# Altium PCB PCB2.PcbDoc (part 1 of 16)
Units mil, origin at the board's own origin, x right, y up, seen from the top; angles counter-clockwise.
Board outline 9200.79 x 4350.6 mil, 4 copper layers (Top Layer, Layer 1, Layer 2, Bottom Layer), stack 23.756 mil thick; 1249 components, 1355 nets, 4549 pads, 1316 vias.
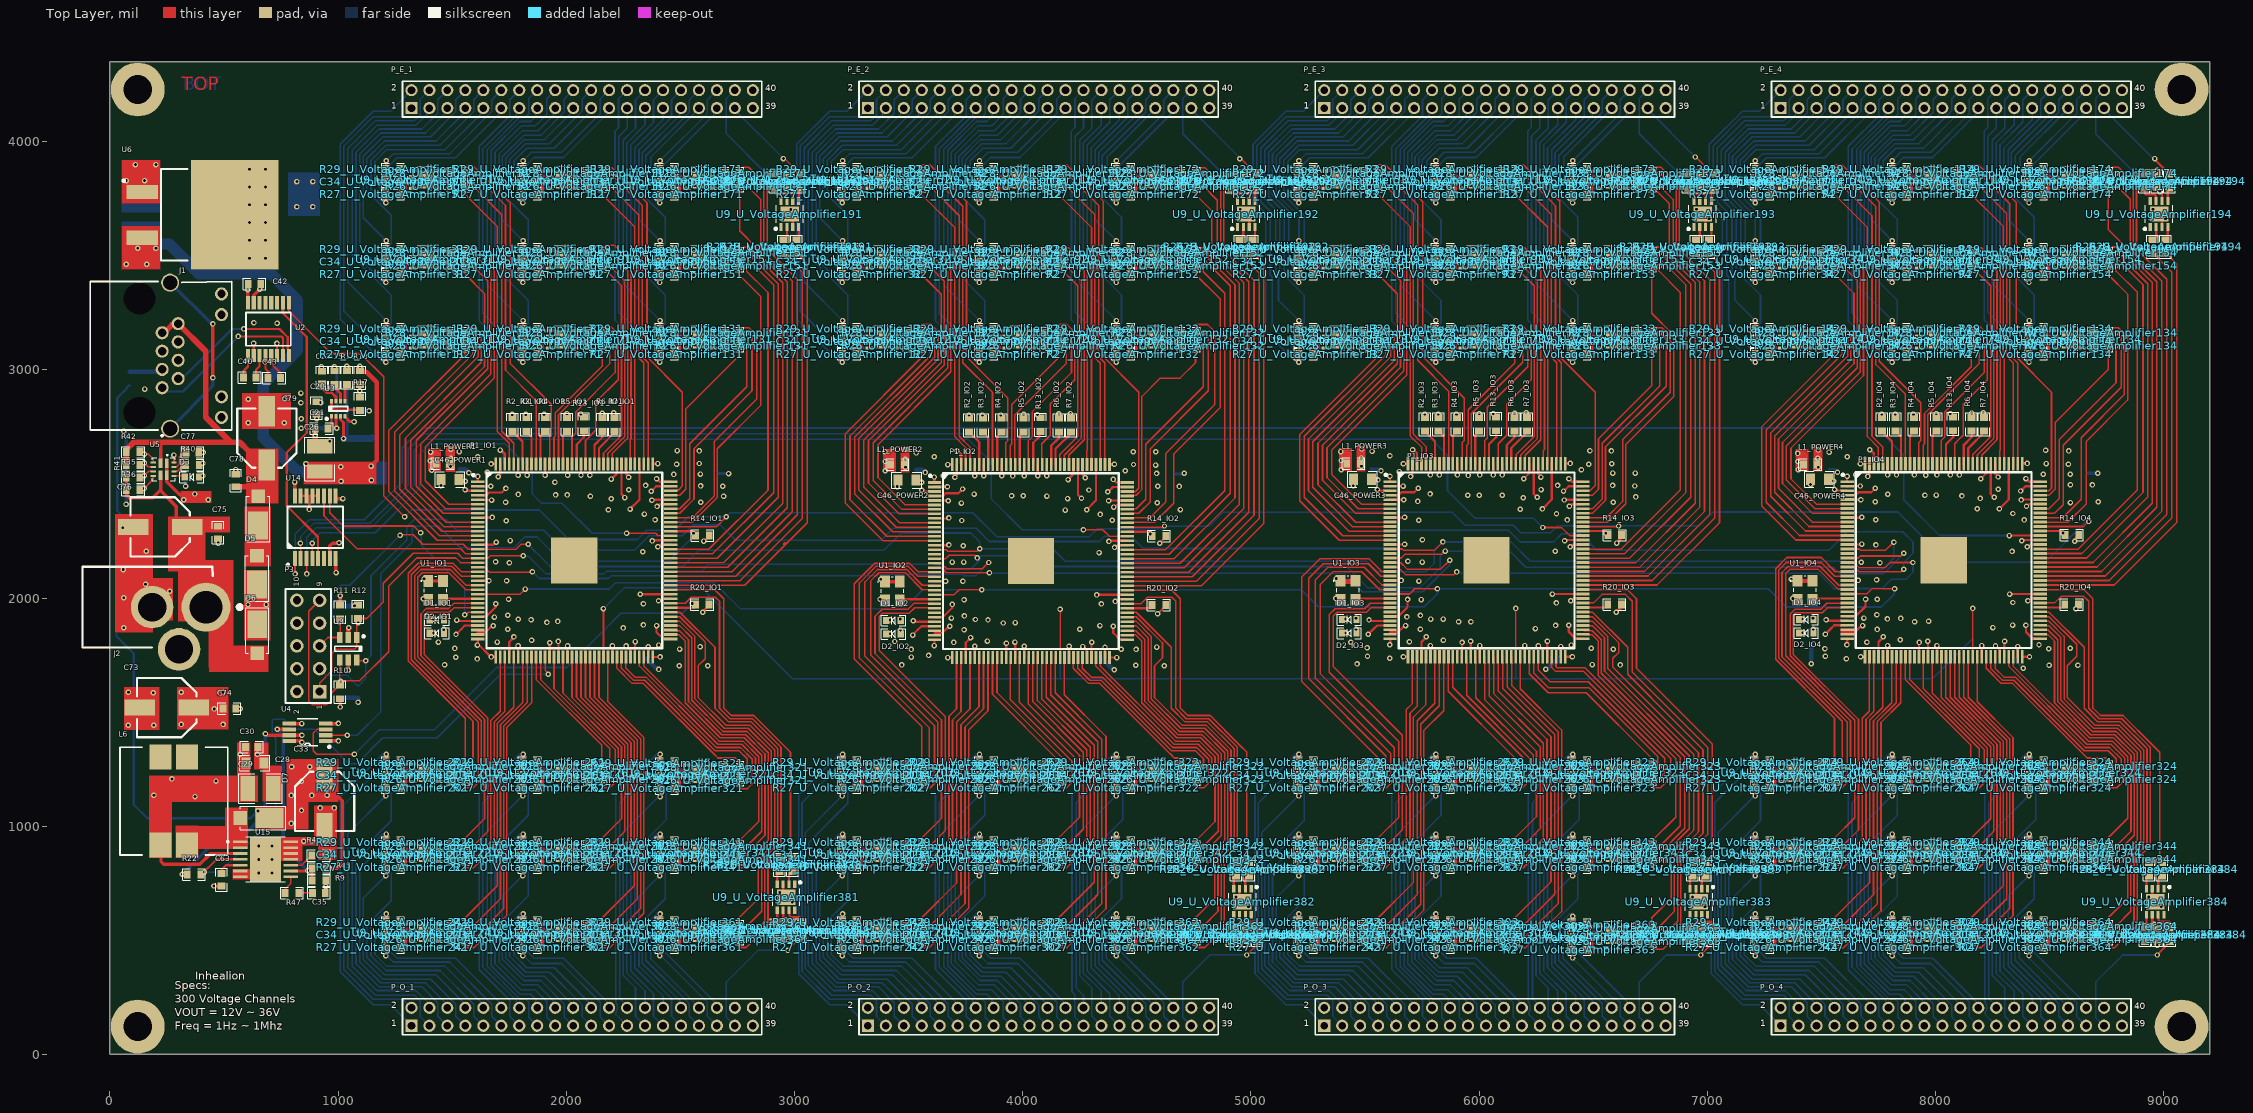
[diagram p0: Top Layer view]
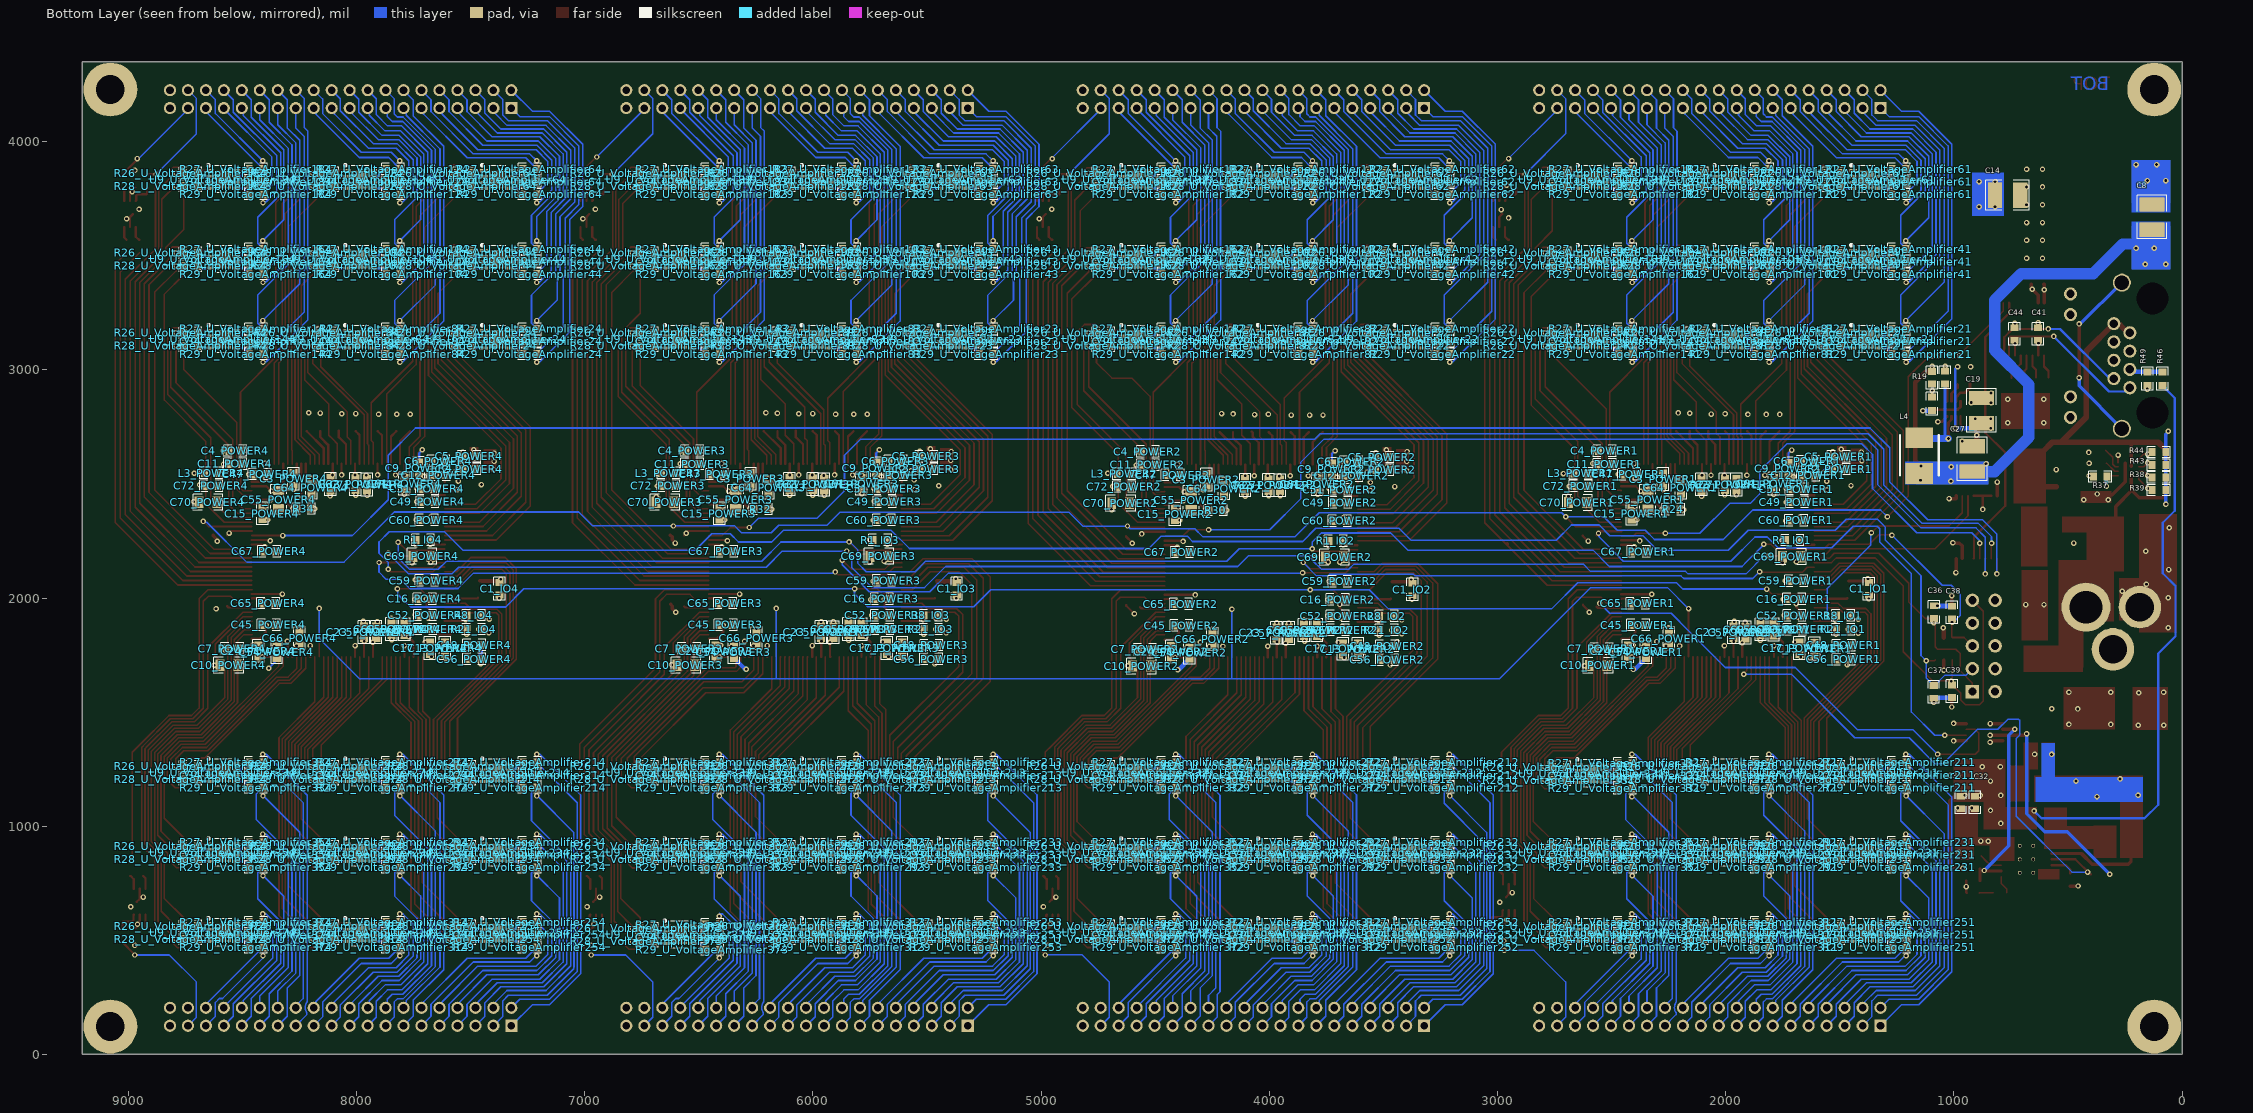
[diagram p1: Bottom Layer view, seen from below]
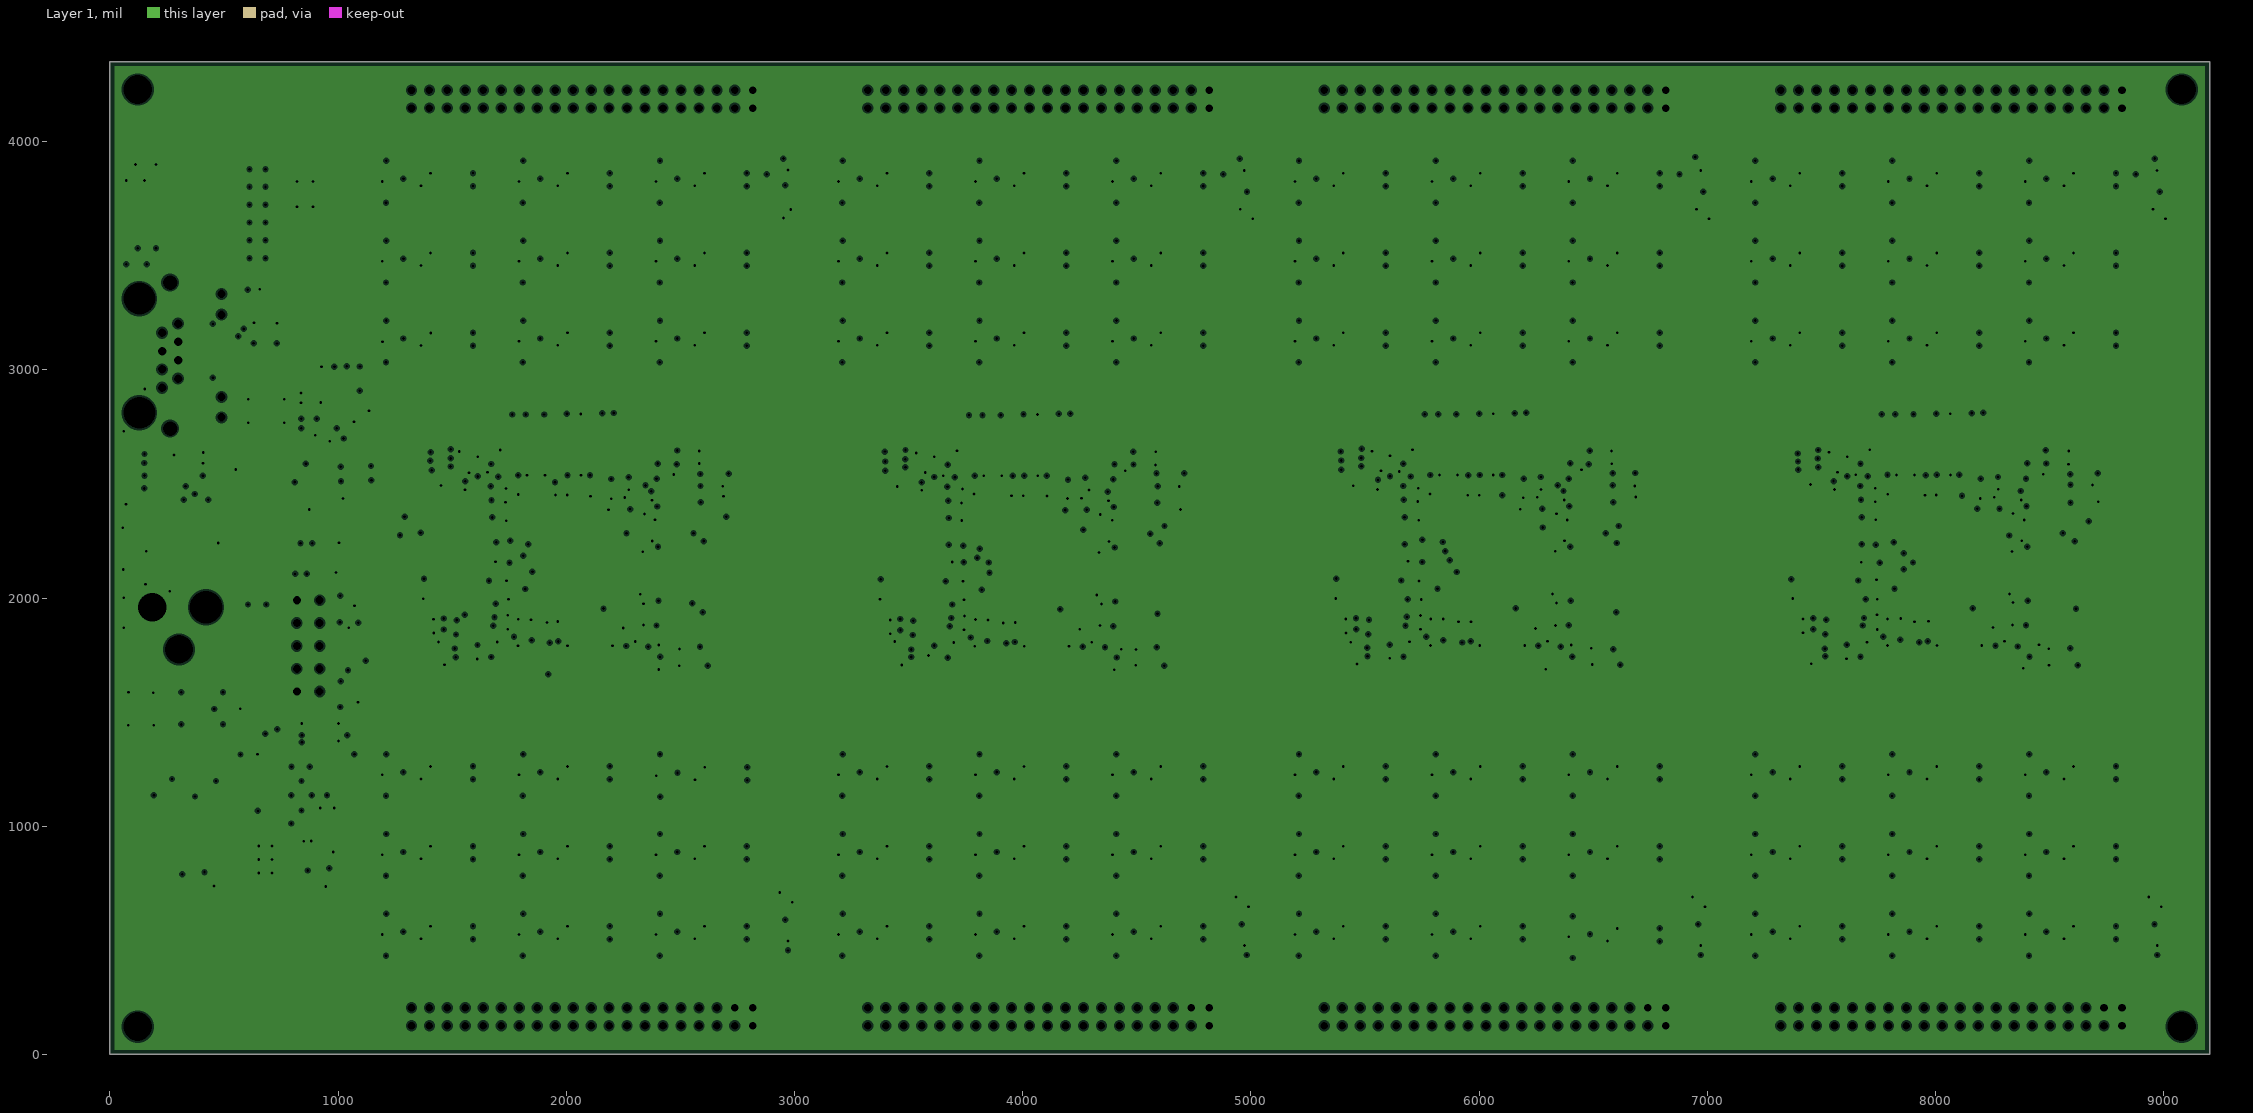
[diagram p2: Layer 1, clearances drawn from the general rule]
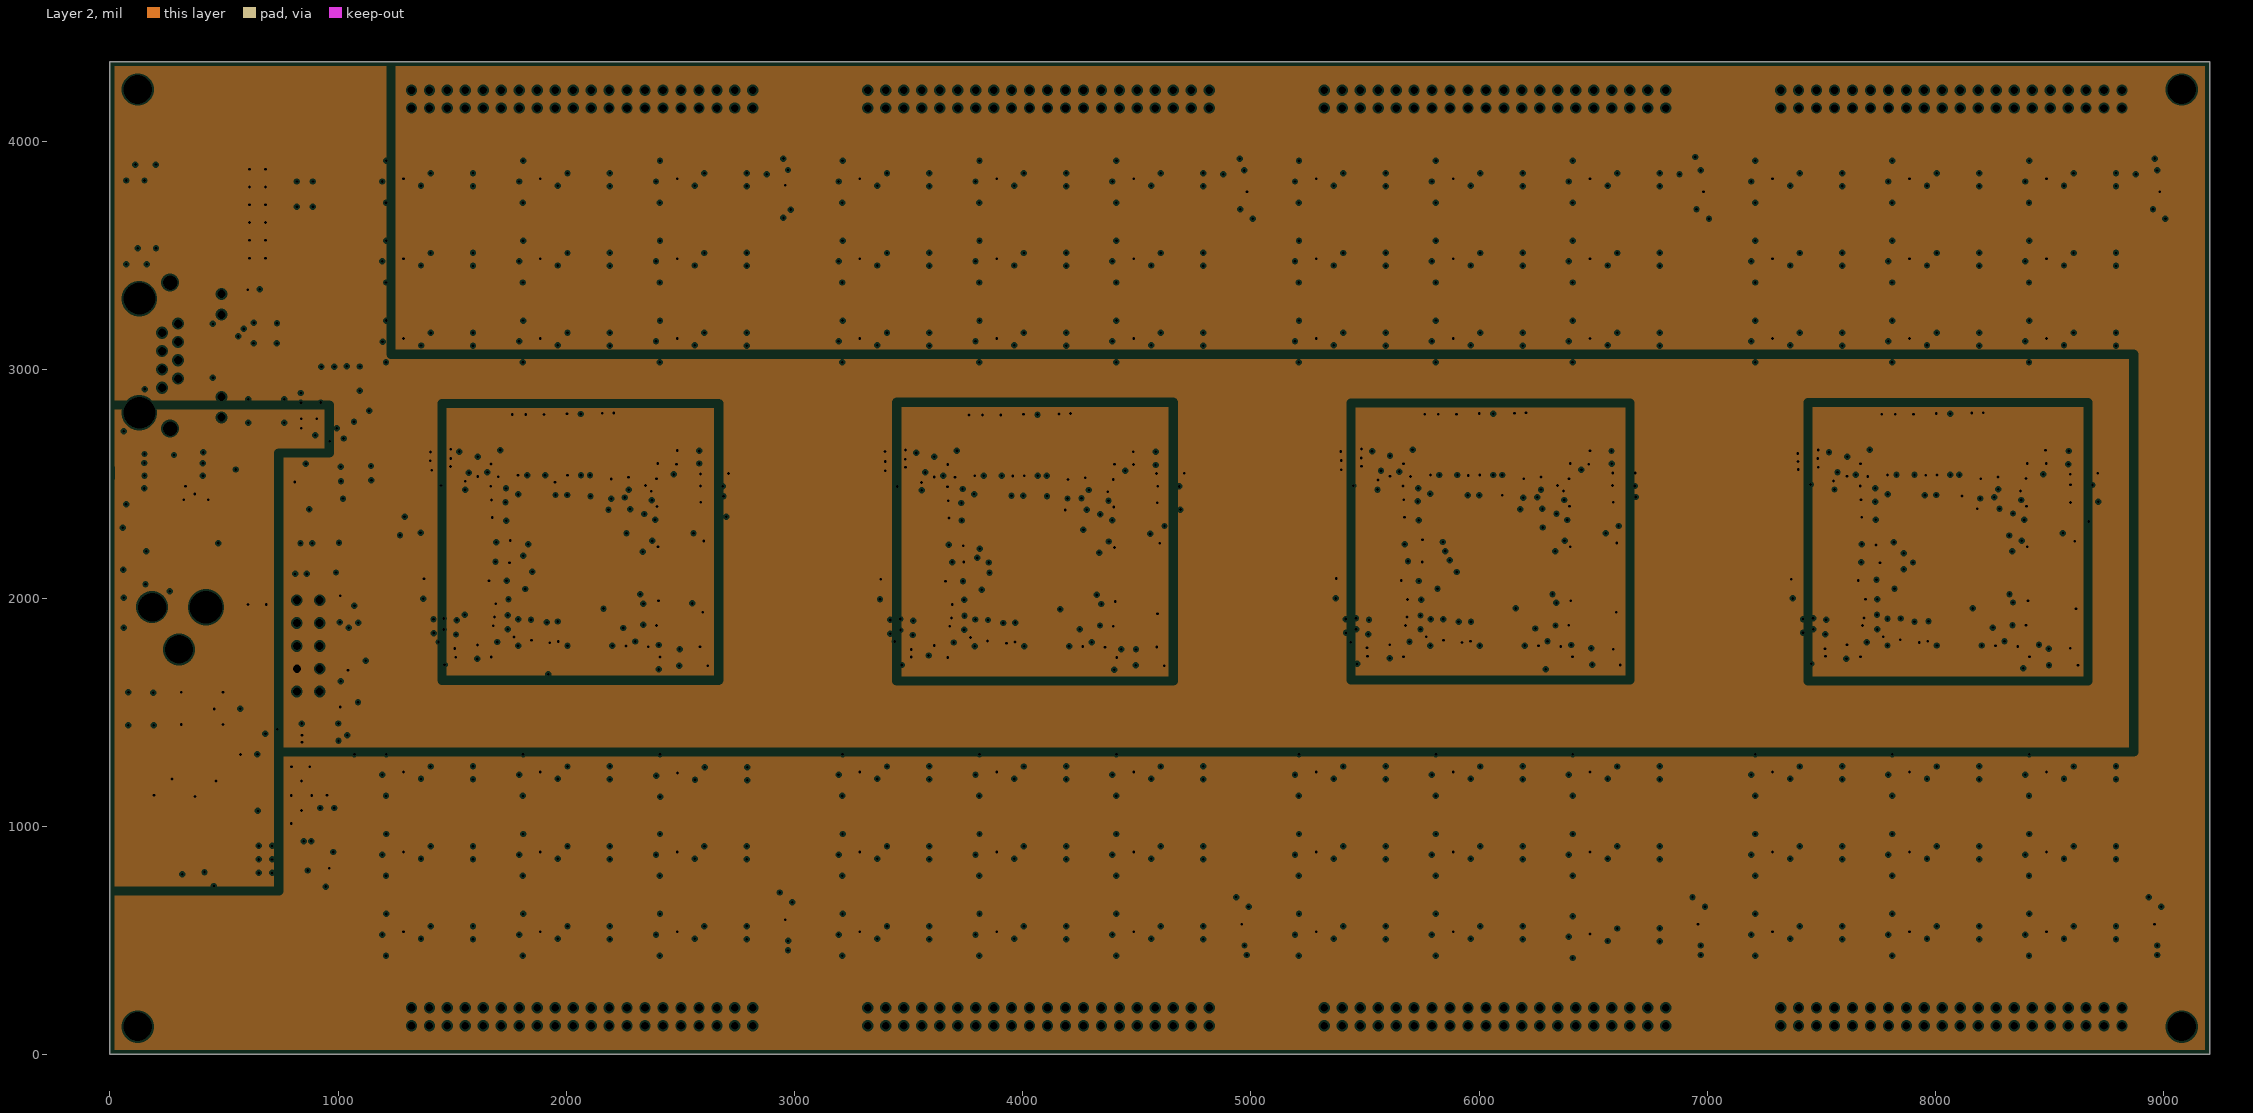
[diagram p3: Layer 2, clearances drawn from the general rule]

## Layer stack, top to bottom
Top Solder: solder mask 0.4, Solder Resist, Dk 3.5
Top Layer: signal copper 1.4
Dielectric 2: prepreg 2.8, PP-006, Dk 4.1
Layer 1: plane copper 1.378, net GND
Dielectric 1: dielectric 12.6, FR-4, Dk 4.8
Layer 2: plane copper 1.378, net (Multiple Nets)
Dielectric 3: prepreg 2.8, PP-006, Dk 4.1
Bottom Layer: signal copper 1.4
Bottom Solder: solder mask 0.4, Solder Resist, Dk 3.5

## Board outline
0,-0.21 9200.79,-0.21 9200.79,4350.39 0,4350.39

## Design rules (kind name [scope] priority, off if disabled: settings)
Clearance [All] p1: gap=7 ignorepadtopadclearanceinfootprint=TRUE
ComponentClearance [All] p1: gap=0 collisioncheckmode=3 verticalgap=0 showdistances=FALSE
HoleSize [All] p1: absolutevalues=TRUE maxlimit=200 minlimit=1 maxpercent=80.000 minpercent=20.000
MinimumSolderMaskSliver [All] p1: minsoldermaskwidth=0
PlaneClearance [All] p1: clearance=8
PlaneConnect [All] p1: planeconnectstyle=Relief reliefexpansion=10 reliefentries=4 reliefconductorwidth=10 reliefairgap=10
PolygonConnect [All] p1: connectstyle=Relief reliefconductorwidth=10 reliefentries=4 polygonreliefangle="90 Angle" airgapwidth=10
RoomDefinition U_VoltageAmplifier261 [InComponentClass('U_VoltageAmplifier261')] p1: confinementstyle=ConfineIn formatcopy=FALSE lockcomponents=FALSE outline 2191.26,1325.59 1771.26,1325.59 1771.26,1125.59 2191.26,1125.59
RoomDefinition U_VoltageAmplifier73 [InComponentClass('U_VoltageAmplifier73')] p2: confinementstyle=ConfineIn formatcopy=FALSE lockcomponents=FALSE outline 6191.26,3225.59 5771.26,3225.59 5771.26,3025.59 6191.26,3025.59
RoomDefinition U_VoltageAmplifier133 [InComponentClass('U_VoltageAmplifier133')] p3: confinementstyle=ConfineIn formatcopy=FALSE lockcomponents=FALSE outline 6791.26,3225.59 6371.26,3225.59 6371.26,3025.59 6791.26,3025.59
RoomDefinition U_VoltageAmplifier121 [InComponentClass('U_VoltageAmplifier121')] p4: confinementstyle=ConfineIn formatcopy=TRUE lockcomponents=FALSE outline 1781.26,3735.59 2181.26,3735.59 2181.26,3915.59 1781.26,3915.59
RoomDefinition IO2 [InComponentClass('IO2')] p5: confinementstyle=ConfineIn formatcopy=TRUE lockcomponents=FALSE outline 3341.26,1705.59 4651.26,1705.59 4651.26,2815.59 3341.26,2815.59
RoomDefinition POWER2 [InComponentClass('POWER2')] p6: confinementstyle=ConfineIn formatcopy=TRUE lockcomponents=FALSE outline 3421.26,1655.59 4721.26,1655.59 4721.26,2675.59 3421.26,2675.59
RoomDefinition U_VoltageAmplifier192 [InComponentClass('U_VoltageAmplifier192')] p7: confinementstyle=ConfineIn formatcopy=FALSE lockcomponents=FALSE outline 5071.26,3475.59 5071.26,3895.59 4871.26,3895.59 4871.26,3475.59
RoomDefinition U_VoltageAmplifier22 [InComponentClass('U_VoltageAmplifier22')] p8: confinementstyle=ConfineIn formatcopy=TRUE lockcomponents=FALSE outline 3591.26,3225.59 3171.26,3225.59 3171.26,3025.59 3591.26,3025.59
RoomDefinition U_VoltageAmplifier253 [InComponentClass('U_VoltageAmplifier253')] p9: confinementstyle=ConfineIn formatcopy=TRUE lockcomponents=FALSE outline 5591.26,625.59 5171.26,625.59 5171.26,425.59 5591.26,425.59
RoomDefinition U_VoltageAmplifier252 [InComponentClass('U_VoltageAmplifier252')] p10: confinementstyle=ConfineIn formatcopy=TRUE lockcomponents=FALSE outline 3591.26,625.59 3171.26,625.59 3171.26,425.59 3591.26,425.59
RoomDefinition U_VoltageAmplifier254 [InComponentClass('U_VoltageAmplifier254')] p11: confinementstyle=ConfineIn formatcopy=TRUE lockcomponents=FALSE outline 7591.26,625.59 7171.26,625.59 7171.26,425.59 7591.26,425.59
RoomDefinition U_VoltageAmplifier374 [InComponentClass('U_VoltageAmplifier374')] p12: confinementstyle=ConfineIn formatcopy=TRUE lockcomponents=FALSE outline 8791.26,625.59 8371.26,625.59 8371.26,425.59 8791.26,425.59
RoomDefinition U_VoltageAmplifier354 [InComponentClass('U_VoltageAmplifier354')] p13: confinementstyle=ConfineIn formatcopy=TRUE lockcomponents=FALSE outline 8791.26,975.59 8371.26,975.59 8371.26,775.59 8791.26,775.59
RoomDefinition U_VoltageAmplifier334 [InComponentClass('U_VoltageAmplifier334')] p14: confinementstyle=ConfineIn formatcopy=TRUE lockcomponents=FALSE outline 8791.26,1325.59 8371.26,1325.59 8371.26,1125.59 8791.26,1125.59
RoomDefinition U_VoltageAmplifier314 [InComponentClass('U_VoltageAmplifier314')] p15: confinementstyle=ConfineIn formatcopy=TRUE lockcomponents=FALSE outline 8191.26,625.59 7771.26,625.59 7771.26,425.59 8191.26,425.59
RoomDefinition U_VoltageAmplifier294 [InComponentClass('U_VoltageAmplifier294')] p16: confinementstyle=ConfineIn formatcopy=TRUE lockcomponents=FALSE outline 8191.26,975.59 7771.26,975.59 7771.26,775.59 8191.26,775.59
RoomDefinition U_VoltageAmplifier274 [InComponentClass('U_VoltageAmplifier274')] p17: confinementstyle=ConfineIn formatcopy=TRUE lockcomponents=FALSE outline 8191.26,1325.59 7771.26,1325.59 7771.26,1125.59 8191.26,1125.59
RoomDefinition U_VoltageAmplifier234 [InComponentClass('U_VoltageAmplifier234')] p18: confinementstyle=ConfineIn formatcopy=TRUE lockcomponents=FALSE outline 7591.26,975.59 7171.26,975.59 7171.26,775.59 7591.26,775.59
RoomDefinition U_VoltageAmplifier244 [InComponentClass('U_VoltageAmplifier244')] p19: confinementstyle=ConfineIn formatcopy=FALSE lockcomponents=FALSE outline 7591.26,625.59 7171.26,625.59 7171.26,425.59 7591.26,425.59
RoomDefinition U_VoltageAmplifier214 [InComponentClass('U_VoltageAmplifier214')] p20: confinementstyle=ConfineIn formatcopy=TRUE lockcomponents=FALSE outline 7591.26,1325.59 7171.26,1325.59 7171.26,1125.59 7591.26,1125.59
RoomDefinition U_VoltageAmplifier184 [InComponentClass('U_VoltageAmplifier184')] p21: confinementstyle=ConfineIn formatcopy=TRUE lockcomponents=FALSE outline 8791.26,3925.59 8371.26,3925.59 8371.26,3725.59 8791.26,3725.59
RoomDefinition U_VoltageAmplifier164 [InComponentClass('U_VoltageAmplifier164')] p22: confinementstyle=ConfineIn formatcopy=TRUE lockcomponents=FALSE outline 8791.26,3575.59 8371.26,3575.59 8371.26,3375.59 8791.26,3375.59
RoomDefinition U_VoltageAmplifier144 [InComponentClass('U_VoltageAmplifier144')] p23: confinementstyle=ConfineIn formatcopy=TRUE lockcomponents=FALSE outline 8791.26,3225.59 8371.26,3225.59 8371.26,3025.59 8791.26,3025.59
RoomDefinition U_VoltageAmplifier124 [InComponentClass('U_VoltageAmplifier124')] p24: confinementstyle=ConfineIn formatcopy=TRUE lockcomponents=FALSE outline 8191.26,3925.59 7771.26,3925.59 7771.26,3725.59 8191.26,3725.59
RoomDefinition U_VoltageAmplifier104 [InComponentClass('U_VoltageAmplifier104')] p25: confinementstyle=ConfineIn formatcopy=TRUE lockcomponents=FALSE outline 8191.26,3575.59 7771.26,3575.59 7771.26,3375.59 8191.26,3375.59
RoomDefinition U_VoltageAmplifier84 [InComponentClass('U_VoltageAmplifier84')] p26: confinementstyle=ConfineIn formatcopy=TRUE lockcomponents=FALSE outline 8191.26,3225.59 7771.26,3225.59 7771.26,3025.59 8191.26,3025.59
RoomDefinition U_VoltageAmplifier64 [InComponentClass('U_VoltageAmplifier64')] p27: confinementstyle=ConfineIn formatcopy=TRUE lockcomponents=FALSE outline 7591.26,3925.59 7171.26,3925.59 7171.26,3725.59 7591.26,3725.59
RoomDefinition U_VoltageAmplifier44 [InComponentClass('U_VoltageAmplifier44')] p28: confinementstyle=ConfineIn formatcopy=TRUE lockcomponents=FALSE outline 7591.26,3575.59 7171.26,3575.59 7171.26,3375.59 7591.26,3375.59
RoomDefinition U_VoltageAmplifier24 [InComponentClass('U_VoltageAmplifier24')] p29: confinementstyle=ConfineIn formatcopy=TRUE lockcomponents=FALSE outline 7591.26,3225.59 7171.26,3225.59 7171.26,3025.59 7591.26,3025.59
RoomDefinition U_VoltageAmplifier373 [InComponentClass('U_VoltageAmplifier373')] p30: confinementstyle=ConfineIn formatcopy=TRUE lockcomponents=FALSE outline 6791.26,615.59 6371.26,615.59 6371.26,415.59 6791.26,415.59
RoomDefinition U_VoltageAmplifier353 [InComponentClass('U_VoltageAmplifier353')] p31: confinementstyle=ConfineIn formatcopy=TRUE lockcomponents=FALSE outline 6791.26,975.59 6371.26,975.59 6371.26,775.59 6791.26,775.59
RoomDefinition U_VoltageAmplifier333 [InComponentClass('U_VoltageAmplifier333')] p32: confinementstyle=ConfineIn formatcopy=TRUE lockcomponents=FALSE outline 6791.26,1325.59 6371.26,1325.59 6371.26,1125.59 6791.26,1125.59
RoomDefinition U_VoltageAmplifier313 [InComponentClass('U_VoltageAmplifier313')] p33: confinementstyle=ConfineIn formatcopy=TRUE lockcomponents=FALSE outline 6191.26,625.59 5771.26,625.59 5771.26,425.59 6191.26,425.59
RoomDefinition U_VoltageAmplifier293 [InComponentClass('U_VoltageAmplifier293')] p34: confinementstyle=ConfineIn formatcopy=TRUE lockcomponents=FALSE outline 6191.26,975.59 5771.26,975.59 5771.26,775.59 6191.26,775.59
RoomDefinition U_VoltageAmplifier273 [InComponentClass('U_VoltageAmplifier273')] p35: confinementstyle=ConfineIn formatcopy=TRUE lockcomponents=FALSE outline 6191.26,1325.59 5771.26,1325.59 5771.26,1125.59 6191.26,1125.59
RoomDefinition U_VoltageAmplifier233 [InComponentClass('U_VoltageAmplifier233')] p36: confinementstyle=ConfineIn formatcopy=TRUE lockcomponents=FALSE outline 5591.26,975.59 5171.26,975.59 5171.26,775.59 5591.26,775.59
RoomDefinition U_VoltageAmplifier213 [InComponentClass('U_VoltageAmplifier213')] p37: confinementstyle=ConfineIn formatcopy=TRUE lockcomponents=FALSE outline 5591.26,1325.59 5171.26,1325.59 5171.26,1125.59 5591.26,1125.59
RoomDefinition U_VoltageAmplifier203 [InComponentClass('U_VoltageAmplifier203')] p38: confinementstyle=ConfineIn formatcopy=FALSE lockcomponents=FALSE outline 5591.26,1325.59 5171.26,1325.59 5171.26,1125.59 5591.26,1125.59
RoomDefinition U_VoltageAmplifier183 [InComponentClass('U_VoltageAmplifier183')] p39: confinementstyle=ConfineIn formatcopy=TRUE lockcomponents=FALSE outline 6791.26,3925.59 6371.26,3925.59 6371.26,3725.59 6791.26,3725.59
RoomDefinition U_VoltageAmplifier163 [InComponentClass('U_VoltageAmplifier163')] p40: confinementstyle=ConfineIn formatcopy=TRUE lockcomponents=FALSE outline 6791.26,3575.59 6371.26,3575.59 6371.26,3375.59 6791.26,3375.59
RoomDefinition U_VoltageAmplifier143 [InComponentClass('U_VoltageAmplifier143')] p41: confinementstyle=ConfineIn formatcopy=TRUE lockcomponents=FALSE outline 6791.26,3225.59 6371.26,3225.59 6371.26,3025.59 6791.26,3025.59
RoomDefinition U_VoltageAmplifier123 [InComponentClass('U_VoltageAmplifier123')] p42: confinementstyle=ConfineIn formatcopy=TRUE lockcomponents=FALSE outline 6191.26,3925.59 5771.26,3925.59 5771.26,3725.59 6191.26,3725.59
RoomDefinition U_VoltageAmplifier103 [InComponentClass('U_VoltageAmplifier103')] p43: confinementstyle=ConfineIn formatcopy=TRUE lockcomponents=FALSE outline 6191.26,3575.59 5771.26,3575.59 5771.26,3375.59 6191.26,3375.59
RoomDefinition U_VoltageAmplifier83 [InComponentClass('U_VoltageAmplifier83')] p44: confinementstyle=ConfineIn formatcopy=TRUE lockcomponents=FALSE outline 6191.26,3225.59 5771.26,3225.59 5771.26,3025.59 6191.26,3025.59
RoomDefinition U_VoltageAmplifier63 [InComponentClass('U_VoltageAmplifier63')] p45: confinementstyle=ConfineIn formatcopy=TRUE lockcomponents=FALSE outline 5591.26,3925.59 5171.26,3925.59 5171.26,3725.59 5591.26,3725.59
RoomDefinition U_VoltageAmplifier43 [InComponentClass('U_VoltageAmplifier43')] p46: confinementstyle=ConfineIn formatcopy=TRUE lockcomponents=FALSE outline 5591.26,3575.59 5171.26,3575.59 5171.26,3375.59 5591.26,3375.59
RoomDefinition U_VoltageAmplifier23 [InComponentClass('U_VoltageAmplifier23')] p47: confinementstyle=ConfineIn formatcopy=TRUE lockcomponents=FALSE outline 5591.26,3225.59 5171.26,3225.59 5171.26,3025.59 5591.26,3025.59
RoomDefinition U_VoltageAmplifier372 [InComponentClass('U_VoltageAmplifier372')] p48: confinementstyle=ConfineIn formatcopy=TRUE lockcomponents=FALSE outline 4791.26,625.59 4371.26,625.59 4371.26,425.59 4791.26,425.59
RoomDefinition U_VoltageAmplifier352 [InComponentClass('U_VoltageAmplifier352')] p49: confinementstyle=ConfineIn formatcopy=TRUE lockcomponents=FALSE outline 4791.26,975.59 4371.26,975.59 4371.26,775.59 4791.26,775.59
RoomDefinition U_VoltageAmplifier332 [InComponentClass('U_VoltageAmplifier332')] p50: confinementstyle=ConfineIn formatcopy=TRUE lockcomponents=FALSE outline 4791.26,1325.59 4371.26,1325.59 4371.26,1125.59 4791.26,1125.59
RoomDefinition U_VoltageAmplifier312 [InComponentClass('U_VoltageAmplifier312')] p51: confinementstyle=ConfineIn formatcopy=TRUE lockcomponents=FALSE outline 4191.26,625.59 3771.26,625.59 3771.26,425.59 4191.26,425.59
RoomDefinition U_VoltageAmplifier292 [InComponentClass('U_VoltageAmplifier292')] p52: confinementstyle=ConfineIn formatcopy=TRUE lockcomponents=FALSE outline 4191.26,975.59 3771.26,975.59 3771.26,775.59 4191.26,775.59